# KiCad board output.Panel_R0.5.1_300x300_2layer_step1_Modified.kicad_pcb (continued)
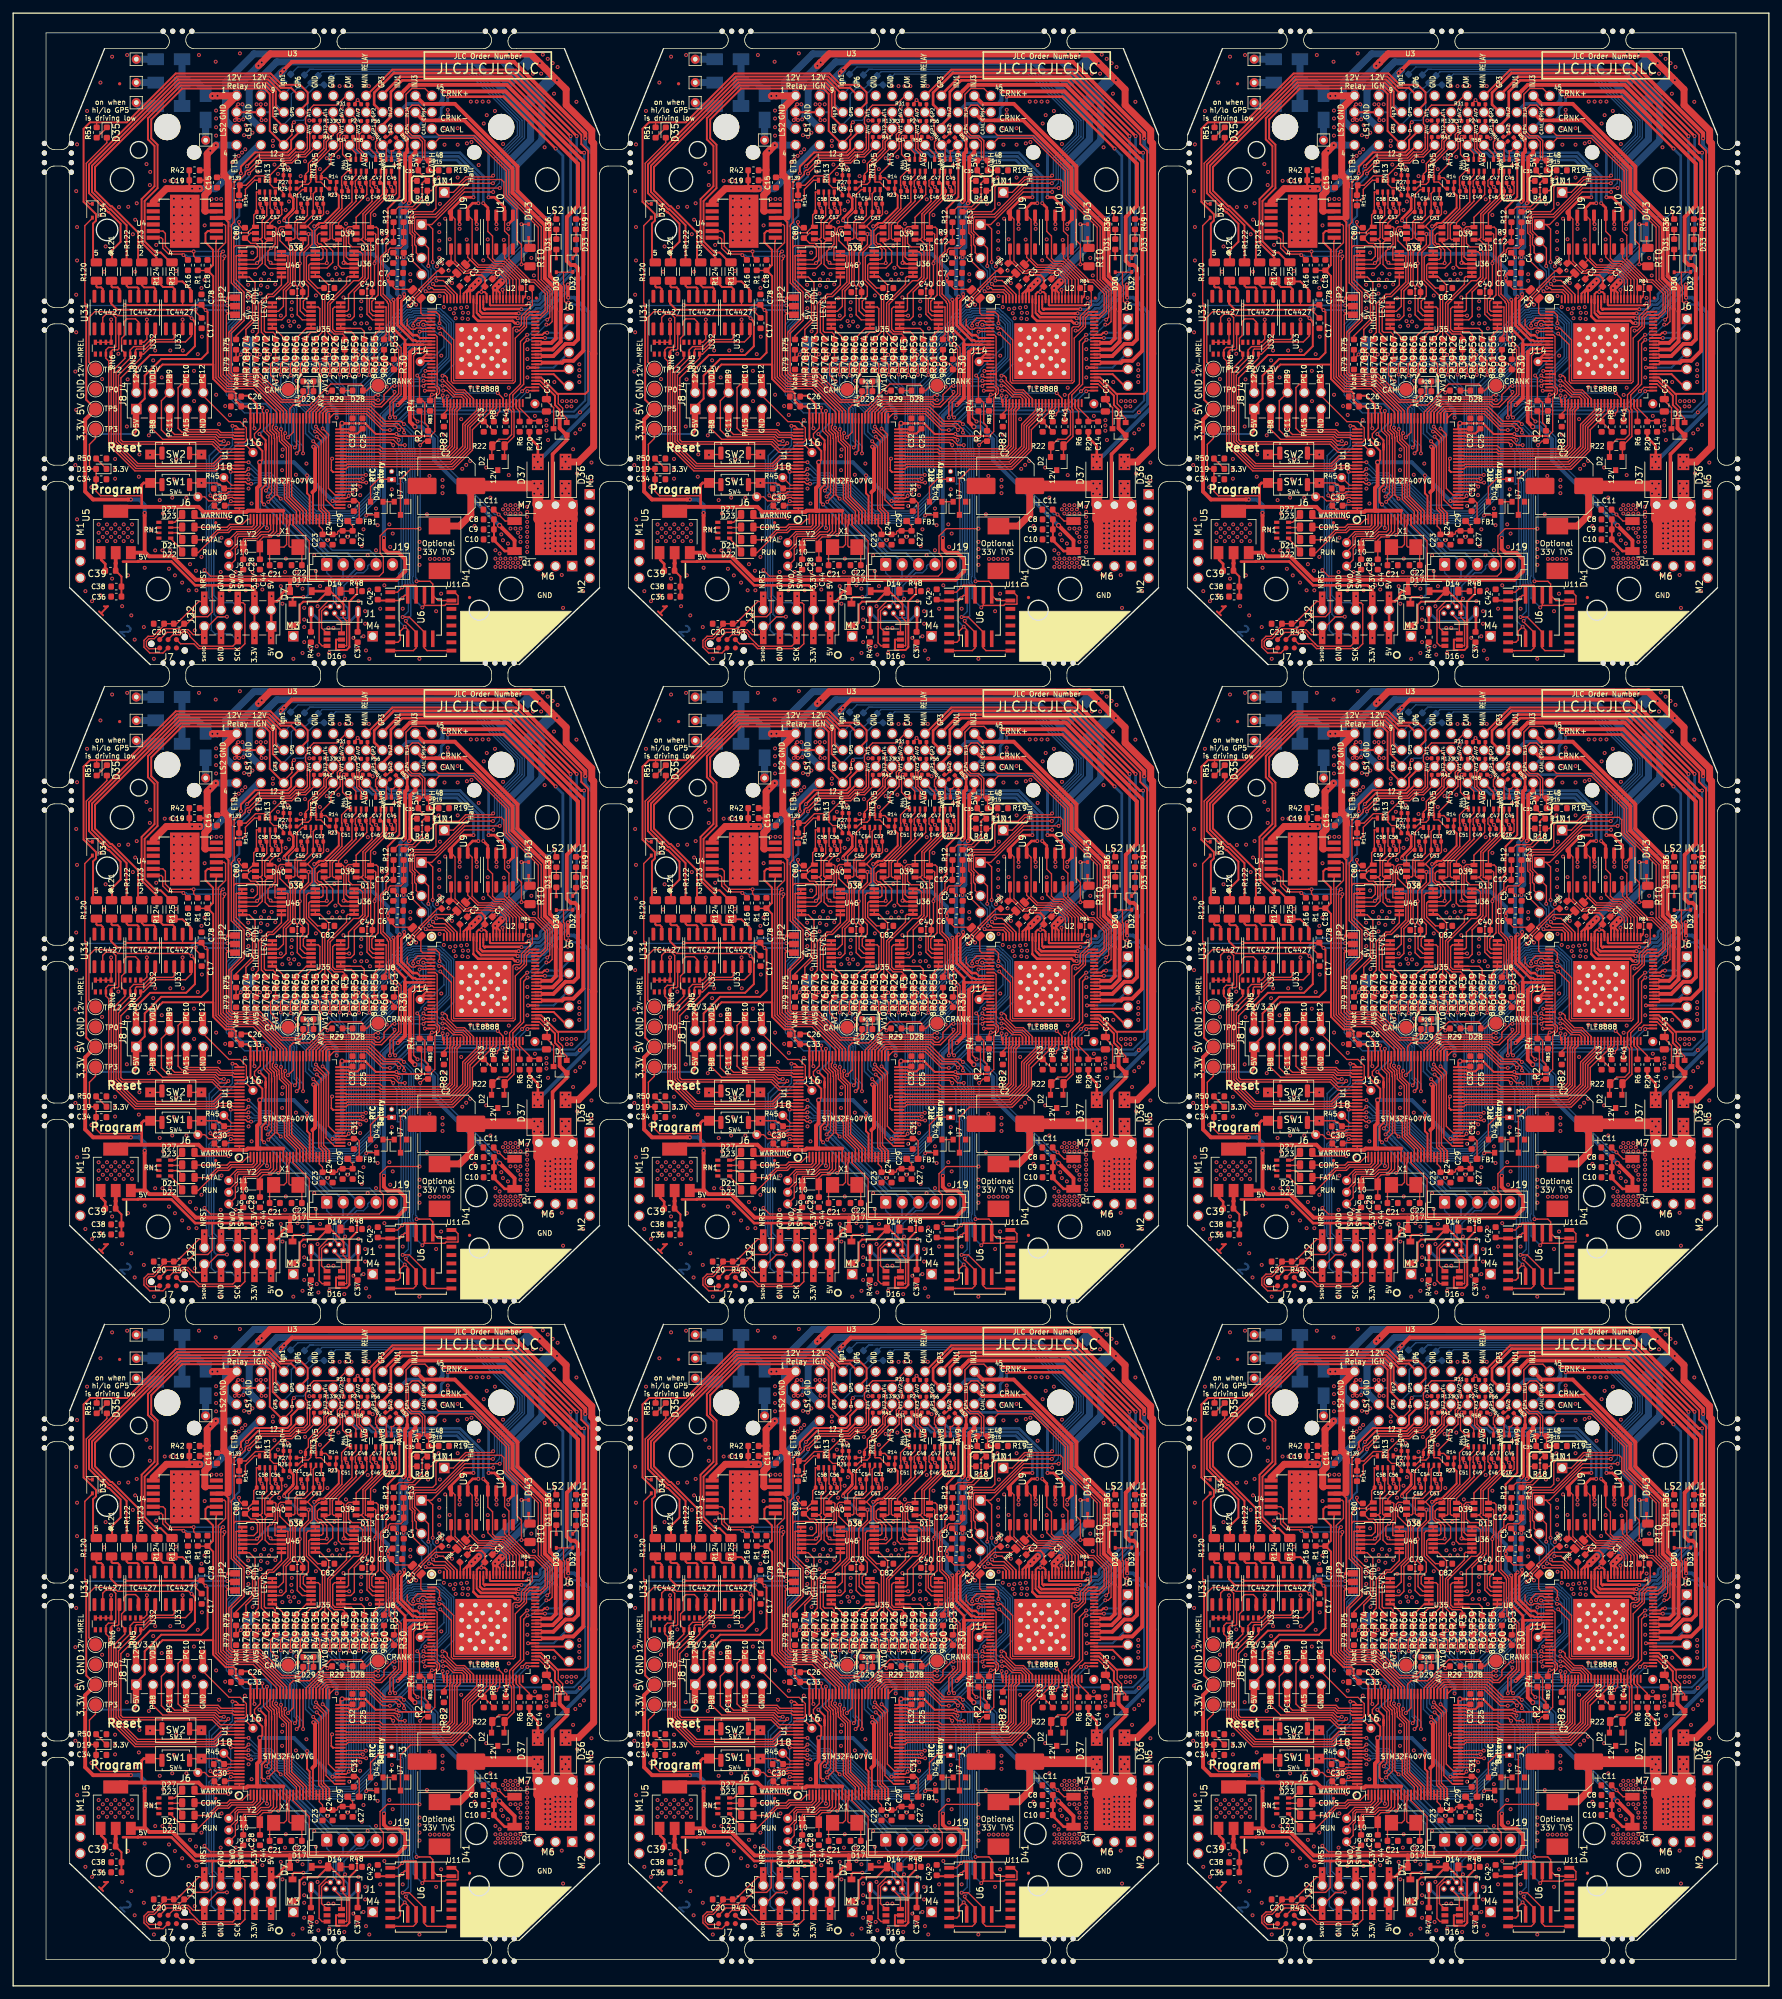
[diagram p0: board, top side]
## Routing (per net, layer and track width the routed paths; a pad name or vN(x,y) marks a point on that pad's centre or on a via; arc(x,y) is an arc through that point) (continued)
/SO: length 510
  Top w0.216: v1(146.6,252.68) 147.17,253.25 147.67,253.25 147.82,253.1 U2#2.4 ; v1(120.8,229.85) 120.67,229.72 U1#2.90 ; v1(231.6,252.68) 232.17,253.25 232.67,253.25 232.82,253.1 U2#3.4 ; U1#3.90 205.67,229.72 v1(205.8,229.85) ; v1(231.6,155.68) 232.17,156.25 232.67,156.25 232.82,156.1 U2#5.4 ; v1(205.8,132.85) 205.67,132.72 U1#5.90 ; v1(146.6,155.68) 147.17,156.25 147.67,156.25 147.82,156.1 U2#6.4 ; U1#6.90 120.67,132.72 v1(120.8,132.85) ; v1(61.6,155.68) 62.17,156.25 62.67,156.25 62.82,156.1 U2#4.4 ; v1(35.8,132.85) 35.67,132.72 U1#4.90 ; U2#8.4 232.82,59.1 232.67,59.25 232.17,59.25 v1(231.6,58.68) ; v1(205.8,35.85) 205.67,35.72 U1#8.90 ; v1(146.6,58.68) 147.17,59.25 147.67,59.25 147.82,59.1 U2#9.4 ; U1#9.90 120.67,35.72 v1(120.8,35.85) ; U2#7.4 62.82,59.1 62.67,59.25 62.17,59.25 v1(61.6,58.68) ; U1#7.90 35.67,35.72 v1(35.8,35.85) ; v1(35.8,229.85) 35.67,229.72 U1.90 ; U2.4 62.82,253.1 62.67,253.25 62.17,253.25 v1(61.6,252.68)
  Bottom w0.216: v1(120.8,229.85) 121.22,229.85 121.74,229.34 123.85,229.34 125.36,227.83 126.51,227.83 130.79,223.55 136.81,223.55 140.08,226.83 140.08,230.4 139.53,230.95 139.53,242.47 147.37,250.31 147.37,251.83 147.15,252.05 147.1,252.05 146.6,252.56 v1(146.6,252.68) ; v1(205.8,229.85) 206.22,229.85 206.74,229.34 208.85,229.34 210.36,227.83 211.51,227.83 215.79,223.55 221.81,223.55 225.08,226.83 225.08,230.4 224.53,230.95 224.53,242.47 232.37,250.31 232.37,251.83 232.15,252.05 232.1,252.05 231.6,252.56 v1(231.6,252.68) ; v1(205.8,132.85) 206.22,132.85 206.74,132.34 208.85,132.34 210.36,130.83 211.51,130.83 215.79,126.55 221.81,126.55 225.08,129.83 225.08,133.4 224.53,133.95 224.53,145.47 232.37,153.31 232.37,154.83 232.15,155.05 232.1,155.05 231.6,155.56 v1(231.6,155.68) ; v1(120.8,132.85) 121.22,132.85 121.74,132.34 123.85,132.34 125.36,130.83 126.51,130.83 130.79,126.55 136.81,126.55 140.08,129.83 140.08,133.4 139.53,133.95 139.53,145.47 147.37,153.31 147.37,154.83 147.15,155.05 147.1,155.05 146.6,155.56 v1(146.6,155.68) ; v1(35.8,132.85) 36.22,132.85 36.74,132.34 38.85,132.34 40.36,130.83 41.51,130.83 45.79,126.55 51.81,126.55 55.08,129.83 55.08,133.4 54.53,133.95 54.53,145.47 62.37,153.31 62.37,154.83 62.15,155.05 62.1,155.05 61.6,155.56 v1(61.6,155.68) ; v1(205.8,35.85) 206.22,35.85 206.74,35.34 208.85,35.34 210.36,33.83 211.51,33.83 215.79,29.55 221.81,29.55 225.08,32.83 225.08,36.4 224.53,36.95 224.53,48.47 232.37,56.31 232.37,57.83 232.15,58.05 232.1,58.05 231.6,58.56 v1(231.6,58.68) ; v1(120.8,35.85) 121.22,35.85 121.74,35.34 123.85,35.34 125.36,33.83 126.51,33.83 130.79,29.55 136.81,29.55 140.08,32.83 140.08,36.4 139.53,36.95 139.53,48.47 147.37,56.31 147.37,57.83 147.15,58.05 147.1,58.05 146.6,58.56 v1(146.6,58.68) ; v1(61.6,58.68) 61.6,58.56 62.1,58.05 62.15,58.05 62.37,57.83 62.37,56.31 54.53,48.47 54.53,36.95 55.08,36.4 55.08,32.83 51.81,29.55 45.79,29.55 41.51,33.83 40.36,33.83 38.85,35.34 36.74,35.34 36.22,35.85 v1(35.8,35.85) ; v1(35.8,229.85) 36.22,229.85 36.74,229.34 38.85,229.34 40.36,227.83 41.51,227.83 45.79,223.55 51.81,223.55 55.08,226.83 55.08,230.4 54.53,230.95 54.53,242.47 62.37,250.31 62.37,251.83 62.15,252.05 62.1,252.05 61.6,252.56 v1(61.6,252.68)
/TLE8888-1QK/BAT_STBY: length 74.8
  Top w0.216: U2#2.53 165,243.6 166.2,242.4 166.2,240.99 167.2,239.99 167.2,236.81 D1#2.3 ; D1#3.3 252.2,236.81 252.2,239.99 251.2,240.99 251.2,242.4 250,243.6 U2#3.53 ; U2#4.53 80,146.6 81.2,145.4 81.2,143.99 82.2,142.99 82.2,139.81 D1#4.3 ; D1#6.3 167.2,139.81 167.2,142.99 166.2,143.99 166.2,145.4 165,146.6 U2#6.53 ; D1#5.3 252.2,139.81 252.2,142.99 251.2,143.99 251.2,145.4 250,146.6 U2#5.53 ; D1#9.3 167.2,42.81 167.2,45.99 166.2,46.99 166.2,48.4 165,49.6 U2#9.53 ; D1#8.3 252.2,42.81 252.2,45.99 251.2,46.99 251.2,48.4 250,49.6 U2#8.53 ; U2#7.53 80,49.6 81.2,48.4 81.2,46.99 82.2,45.99 82.2,42.81 D1#7.3 ; U2.53 80,243.6 81.2,242.4 81.2,240.99 82.2,239.99 82.2,236.81 D1.3
/TLE8888-1QK/CAN_RX: length 267.2
  Top w0.216: v1(142.3,236.6) 141.18,236.6 138.69,239.09 133.78,239.09 U1#2.51 ; v1(158.47,238.96) 159,239.49 U2#2.43 ; v1(227.3,236.6) 226.18,236.6 223.69,239.09 218.78,239.09 U1#3.51 ; U2#3.43 244,239.49 v1(243.47,238.96) ; v1(227.3,139.6) 226.18,139.6 223.69,142.09 218.78,142.09 U1#5.51 ; U2#5.43 244,142.49 v1(243.47,141.96) ; v1(57.3,139.6) 56.18,139.6 53.69,142.09 48.78,142.09 U1#4.51 ; v1(73.47,141.96) 74,142.49 U2#4.43 ; v1(142.3,139.6) 141.18,139.6 138.69,142.09 133.78,142.09 U1#6.51 ; U2#6.43 159,142.49 v1(158.47,141.96) ; v1(73.47,44.96) 74,45.49 U2#7.43 ; v1(57.3,42.6) 56.18,42.6 53.69,45.09 48.78,45.09 U1#7.51 ; v1(142.3,42.6) 141.18,42.6 138.69,45.09 133.78,45.09 U1#9.51 ; U2#9.43 159,45.49 v1(158.47,44.96) ; v1(227.3,42.6) 226.18,42.6 223.69,45.09 218.78,45.09 U1#8.51 ; U2#8.43 244,45.49 v1(243.47,44.96) ; v1(73.47,238.96) 74,239.49 U2.43 ; U1.51 48.78,239.09 53.69,239.09 56.18,236.6 v1(57.3,236.6)
  Bottom w0.216: v1(142.3,236.6) 142.72,236.6 145.15,239.02 158.41,239.02 v1(158.47,238.96) ; v1(227.3,236.6) 227.72,236.6 230.15,239.02 243.41,239.02 v1(243.47,238.96) ; v1(243.47,141.96) 243.41,142.02 230.15,142.02 227.72,139.6 v1(227.3,139.6) ; v1(57.3,139.6) 57.72,139.6 60.15,142.02 73.41,142.02 v1(73.47,141.96) ; v1(142.3,139.6) 142.72,139.6 145.15,142.02 158.41,142.02 v1(158.47,141.96) ; v1(57.3,42.6) 57.72,42.6 60.15,45.02 73.41,45.02 v1(73.47,44.96) ; v1(142.3,42.6) 142.72,42.6 145.15,45.02 158.41,45.02 v1(158.47,44.96) ; v1(243.47,44.96) 243.41,45.02 230.15,45.02 227.72,42.6 v1(227.3,42.6) ; v1(57.3,236.6) 57.72,236.6 60.15,239.02 73.41,239.02 v1(73.47,238.96)
/TLE8888-1QK/CAN_TX: length 531.6
  Top w0.216: U1#2.92 120.34,228.72 120.63,228.43 v1(121.18,228.43) ; v1(158.7,242.22) 159.5,241.42 U2#2.44 ; U1#3.92 205.34,228.72 205.63,228.43 v1(206.18,228.43) ; v1(243.7,242.22) 244.5,241.42 U2#3.44 ; U1#5.92 205.34,131.72 205.63,131.43 v1(206.18,131.43) ; v1(243.7,145.22) 244.5,144.42 U2#5.44 ; U1#4.92 35.34,131.72 35.63,131.43 v1(36.18,131.43) ; v1(73.7,145.22) 74.5,144.42 U2#4.44 ; U1#6.92 120.34,131.72 120.63,131.43 v1(121.18,131.43) ; v1(158.7,145.22) 159.5,144.42 U2#6.44 ; v1(73.7,48.22) 74.5,47.42 U2#7.44 ; v1(36.18,34.43) 35.63,34.43 35.34,34.72 U1#7.92 ; U1#9.92 120.34,34.72 120.63,34.43 v1(121.18,34.43) ; v1(158.7,48.22) 159.5,47.42 U2#9.44 ; U1#8.92 205.34,34.72 205.63,34.43 v1(206.18,34.43) ; U2#8.44 244.5,47.42 v1(243.7,48.22) ; v1(73.7,242.22) 74.5,241.42 U2.44 ; v1(36.18,228.43) 35.63,228.43 35.34,228.72 U1.92
  Bottom w0.216: v1(158.7,242.22) 152.43,242.22 151.16,240.95 149.9,240.95 149.9,240.96 142.8,240.96 140.82,238.97 140.82,226.53 137.11,222.82 130.48,222.82 126.2,227.1 125.05,227.1 123.55,228.6 121.78,228.6 121.61,228.43 v1(121.18,228.43) ; v1(243.7,242.22) 237.43,242.22 236.16,240.95 234.9,240.95 234.9,240.96 227.8,240.96 225.82,238.97 225.82,226.53 222.11,222.82 215.48,222.82 211.2,227.1 210.05,227.1 208.55,228.6 206.78,228.6 206.61,228.43 v1(206.18,228.43) ; v1(243.7,145.22) 237.43,145.22 236.16,143.95 234.9,143.95 234.9,143.96 227.8,143.96 225.82,141.97 225.82,129.53 222.11,125.82 215.48,125.82 211.2,130.1 210.05,130.1 208.55,131.6 206.78,131.6 206.61,131.43 v1(206.18,131.43) ; v1(73.7,145.22) 67.43,145.22 66.16,143.95 64.9,143.95 64.9,143.96 57.8,143.96 55.82,141.97 55.82,129.53 52.11,125.82 45.48,125.82 41.2,130.1 40.05,130.1 38.55,131.6 36.78,131.6 36.61,131.43 v1(36.18,131.43) ; v1(158.7,145.22) 152.43,145.22 151.16,143.95 149.9,143.95 149.9,143.96 142.8,143.96 140.82,141.97 140.82,129.53 137.11,125.82 130.48,125.82 126.2,130.1 125.05,130.1 123.55,131.6 121.78,131.6 121.61,131.43 v1(121.18,131.43) ; v1(73.7,48.22) 67.43,48.22 66.16,46.95 64.9,46.95 64.9,46.96 57.8,46.96 55.82,44.97 55.82,32.53 52.11,28.82 45.48,28.82 41.2,33.1 40.05,33.1 38.55,34.6 36.78,34.6 36.61,34.43 v1(36.18,34.43) ; v1(158.7,48.22) 152.43,48.22 151.16,46.95 149.9,46.95 149.9,46.96 142.8,46.96 140.82,44.97 140.82,32.53 137.11,28.82 130.48,28.82 126.2,33.1 125.05,33.1 123.55,34.6 121.78,34.6 121.61,34.43 v1(121.18,34.43) ; v1(243.7,48.22) 237.43,48.22 236.16,46.95 234.9,46.95 234.9,46.96 227.8,46.96 225.82,44.97 225.82,32.53 222.11,28.82 215.48,28.82 211.2,33.1 210.05,33.1 208.55,34.6 206.78,34.6 206.61,34.43 v1(206.18,34.43) ; v1(36.18,228.43) 36.61,228.43 36.78,228.6 38.55,228.6 40.05,227.1 41.2,227.1 45.48,222.82 52.11,222.82 55.82,226.53 55.82,238.97 57.8,240.96 64.9,240.96 64.9,240.95 66.16,240.95 67.43,242.22 v1(73.7,242.22)
/TLE8888-1QK/IGN_EN: length 236.3
  Top w0.203: v1(140.49,241.16) 140.07,241.16 139.94,241.29 132.05,241.29 130.09,239.32 U1#2.57 ; v1(151.05,241.71) 151,241.65 U2#2.27 151,239.62 150.5,239.12 R82#2.1 ; v1(225.49,241.16) 225.07,241.16 224.94,241.29 217.05,241.29 215.09,239.32 U1#3.57 ; v1(236.05,241.71) 236,241.65 U2#3.27 236,239.62 235.5,239.12 R82#3.1 ; v1(140.49,144.16) 140.07,144.16 139.94,144.29 132.05,144.29 130.09,142.32 U1#6.57 ; v1(151.05,144.71) 151,144.65 U2#6.27 151,142.62 150.5,142.12 R82#6.1 ; v1(55.49,144.16) 55.07,144.16 54.94,144.29 47.05,144.29 45.09,142.32 U1#4.57 ; v1(66.05,144.71) 66,144.65 U2#4.27 66,142.62 65.5,142.12 R82#4.1 ; v1(225.49,144.16) 225.07,144.16 224.94,144.29 217.05,144.29 215.09,142.32 U1#5.57 ; v1(236.05,144.71) 236,144.65 U2#5.27 236,142.62 235.5,142.12 R82#5.1 ; v1(140.49,47.16) 140.07,47.16 139.94,47.29 132.05,47.29 130.09,45.32 U1#9.57 ; v1(151.05,47.71) 151,47.65 U2#9.27 151,45.62 150.5,45.12 R82#9.1 ; v1(55.49,47.16) 55.07,47.16 54.94,47.29 47.05,47.29 45.09,45.32 U1#7.57 ; v1(66.05,47.71) 66,47.65 U2#7.27 66,45.62 65.5,45.12 R82#7.1 ; v1(225.49,47.16) 225.07,47.16 224.94,47.29 217.05,47.29 215.09,45.32 U1#8.57 ; v1(236.05,47.71) 236,47.65 U2#8.27 236,45.62 235.5,45.12 R82#8.1 ; R82.1 65.5,239.12 66,239.62 U2.27 66,241.65 v1(66.05,241.71) ; v1(55.49,241.16) 55.07,241.16 54.94,241.29 47.05,241.29 45.09,239.32 U1.57
  Bottom w0.203: v1(140.49,241.16) 140.92,241.16 141.08,241.32 150.05,241.32 150.05,241.31 150.66,241.31 v1(151.05,241.71) ; v1(225.49,241.16) 225.92,241.16 226.08,241.32 235.05,241.32 235.05,241.31 235.66,241.31 v1(236.05,241.71) ; v1(140.49,144.16) 140.92,144.16 141.08,144.32 150.05,144.32 150.05,144.31 150.66,144.31 v1(151.05,144.71) ; v1(55.49,144.16) 55.92,144.16 56.08,144.32 65.05,144.32 65.05,144.31 65.66,144.31 v1(66.05,144.71) ; v1(236.05,144.71) 235.66,144.31 235.05,144.31 235.05,144.32 226.08,144.32 225.92,144.16 v1(225.49,144.16) ; v1(140.49,47.16) 140.92,47.16 141.08,47.32 150.05,47.32 150.05,47.31 150.66,47.31 v1(151.05,47.71) ; v1(55.49,47.16) 55.92,47.16 56.08,47.32 65.05,47.32 65.05,47.31 65.66,47.31 v1(66.05,47.71) ; v1(225.49,47.16) 225.92,47.16 226.08,47.32 235.05,47.32 235.05,47.31 235.66,47.31 v1(236.05,47.71) ; v1(66.05,241.71) 65.66,241.31 65.05,241.31 65.05,241.32 56.08,241.32 55.92,241.16 v1(55.49,241.16)
/TLE8888-1QK/IGN_OUT_1: length 709.3
  Top w0.203: v1(158,272.8) 153.6,272.8 148.66,267.85 U3#2.J51 ; v1(243,272.8) 238.6,272.8 233.66,267.85 U3#3.J51 ; v1(243,175.8) 238.6,175.8 233.66,170.85 U3#5.J51 ; v1(73,175.8) 68.6,175.8 63.66,170.85 U3#4.J51 ; v1(158,175.8) 153.6,175.8 148.66,170.85 U3#6.J51 ; U3#8.J51 63.66,73.85 68.6,78.8 v1(73,78.8) ; v1(158,78.8) 153.6,78.8 148.66,73.85 U3#9.J51 ; v1(243,78.8) 238.6,78.8 233.66,73.85 U3#7.J51 ; v1(73,272.8) 68.6,272.8 63.66,267.85 U3.J51
  Top w0.216: U2#2.96 152.5,257.23 150.38,259.34 v1(149.37,259.34) ; U3#2.J51 148.12,267.85 148.81,267.17 v1(148.81,262.14) ; U2#3.96 237.5,257.23 235.38,259.34 v1(234.37,259.34) ; v1(233.81,262.14) 233.81,267.17 233.12,267.85 U3#3.J51 ; U2#5.96 237.5,160.23 235.38,162.34 v1(234.37,162.34) ; v1(233.81,165.14) 233.81,170.17 233.12,170.85 U3#5.J51 ; U2#4.96 67.5,160.23 65.38,162.34 v1(64.37,162.34) ; U3#4.J51 63.12,170.85 63.81,170.17 v1(63.81,165.14) ; U2#6.96 152.5,160.23 150.38,162.34 v1(149.37,162.34) ; v1(148.81,165.14) 148.81,170.17 148.12,170.85 U3#6.J51 ; U2#7.96 67.5,63.23 65.38,65.34 v1(64.37,65.34) ; v1(63.81,68.14) 63.81,73.17 63.12,73.85 U3#8.J51 ; v1(148.81,68.14) 148.81,73.17 148.12,73.85 U3#9.J51 ; U2#9.96 152.5,63.23 150.38,65.34 v1(149.37,65.34) ; v1(233.81,68.14) 233.81,73.17 233.12,73.85 U3#7.J51 ; U2#8.96 237.5,63.23 235.38,65.34 v1(234.37,65.34) ; U3.J51 63.12,267.85 63.81,267.17 v1(63.81,262.14) ; v1(64.37,259.34) 65.38,259.34 67.5,257.23 U2.96
  Bottom w0.203: R21#2.2 130.15,291.45 130.65,291.45 ; 130.65,291.45 154.65,291.45 162.4,283.7 162.4,281.19 158.96,277.75 158.96,274.18 158,273.22 v1(158,272.8) ; 130.65,291.45 130.1,291.45 129.4,290.75 129.4,290.6 ; R21#3.2 215.15,291.45 215.65,291.45 ; 215.65,291.45 239.65,291.45 247.4,283.7 247.4,281.19 243.96,277.75 243.96,274.18 243,273.22 v1(243,272.8) ; 215.65,291.45 215.1,291.45 214.4,290.75 214.4,290.6 ; R21#5.2 215.15,194.45 215.65,194.45 ; 215.65,194.45 239.65,194.45 247.4,186.7 247.4,184.19 243.96,180.75 243.96,177.18 243,176.22 v1(243,175.8) ; 215.65,194.45 215.1,194.45 214.4,193.75 214.4,193.6 ; R21#4.2 45.15,194.45 45.65,194.45 ; 45.65,194.45 69.65,194.45 77.4,186.7 77.4,184.19 73.96,180.75 73.96,177.18 73,176.22 v1(73,175.8) ; 45.65,194.45 45.1,194.45 44.4,193.75 44.4,193.6 ; R21#6.2 130.15,194.45 130.65,194.45 ; 130.65,194.45 154.65,194.45 162.4,186.7 162.4,184.19 158.96,180.75 158.96,177.18 158,176.22 v1(158,175.8) ; 130.65,194.45 130.1,194.45 129.4,193.75 129.4,193.6 ; 45.65,97.45 69.65,97.45 77.4,89.7 77.4,87.19 73.96,83.75 73.96,80.18 73,79.22 v1(73,78.8) ; 45.65,97.45 45.1,97.45 44.4,96.75 44.4,96.6 ; 45.65,97.45 45.15,97.45 R21#7.2 ; R21#9.2 130.15,97.45 130.65,97.45 ; v1(158,78.8) 158,79.22 158.96,80.18 158.96,83.75 162.4,87.19 162.4,89.7 154.65,97.45 130.65,97.45 ; 130.65,97.45 130.1,97.45 129.4,96.75 129.4,96.6 ; R21#8.2 215.15,97.45 215.65,97.45 ; 215.65,97.45 239.65,97.45 247.4,89.7 247.4,87.19 243.96,83.75 243.96,80.18 243,79.22 v1(243,78.8) ; 215.65,97.45 215.1,97.45 214.4,96.75 214.4,96.6 ; 45.65,291.45 69.65,291.45 77.4,283.7 77.4,281.19 73.96,277.75 73.96,274.18 73,273.22 v1(73,272.8) ; 45.65,291.45 45.15,291.45 R21.2 ; 45.65,291.45 45.1,291.45 44.4,290.75 44.4,290.6
  Bottom w0.216: v1(149.37,259.34) 149.37,260.75 148.81,261.32 v1(148.81,262.14) ; v1(234.37,259.34) 234.37,260.75 233.81,261.32 v1(233.81,262.14) ; v1(234.37,162.34) 234.37,163.75 233.81,164.32 v1(233.81,165.14) ; v1(64.37,162.34) 64.37,163.75 63.81,164.32 v1(63.81,165.14) ; v1(149.37,162.34) 149.37,163.75 148.81,164.32 v1(148.81,165.14) ; v1(64.37,65.34) 64.37,66.75 63.81,67.32 v1(63.81,68.14) ; v1(149.37,65.34) 149.37,66.75 148.81,67.32 v1(148.81,68.14) ; v1(233.81,68.14) 233.81,67.32 234.37,66.75 v1(234.37,65.34) ; v1(63.81,262.14) 63.81,261.32 64.37,260.75 v1(64.37,259.34)
/TLE8888-1QK/IGN_OUT_2: length 737
  Top w0.203: U3#2.J52 147.1,265.8 146.05,266.85 146.05,268.86 146.19,269 149.3,269 153.7,273.4 v1(159,273.4) ; U3#3.J52 232.1,265.8 231.05,266.85 231.05,268.86 231.19,269 234.3,269 238.7,273.4 v1(244,273.4) ; U3#5.J52 232.1,168.8 231.05,169.85 231.05,171.86 231.19,172 234.3,172 238.7,176.4 v1(244,176.4) ; U3#4.J52 62.1,168.8 61.05,169.85 61.05,171.86 61.19,172 64.3,172 68.7,176.4 v1(74,176.4) ; U3#6.J52 147.1,168.8 146.05,169.85 146.05,171.86 146.19,172 149.3,172 153.7,176.4 v1(159,176.4) ; v1(74,79.4) 68.7,79.4 64.3,75 61.19,75 61.05,74.86 61.05,72.85 62.1,71.8 U3#8.J52 ; U3#9.J52 147.1,71.8 146.05,72.85 146.05,74.86 146.19,75 149.3,75 153.7,79.4 v1(159,79.4) ; U3#7.J52 232.1,71.8 231.05,72.85 231.05,74.86 231.19,75 234.3,75 238.7,79.4 v1(244,79.4) ; U3.J52 62.1,265.8 61.05,266.85 61.05,268.86 61.19,269 64.3,269 68.7,273.4 v1(74,273.4)
  Top w0.216: U3#2.J52 148.16,264.25 148.16,262 148.14,261.98 v1(148.14,261.55) ; U2#2.97 152,257.18 150.67,258.51 149.14,258.51 v1(148.84,258.81) ; U3#3.J52 233.16,264.25 233.16,262 233.14,261.98 v1(233.14,261.55) ; v1(233.84,258.81) 234.14,258.51 235.67,258.51 237,257.18 U2#3.97 ; v1(233.84,161.81) 234.14,161.51 235.67,161.51 237,160.18 U2#5.97 ; U3#5.J52 233.16,167.25 233.16,165 233.14,164.98 v1(233.14,164.55) ; U3#4.J52 63.16,167.25 63.16,165 63.14,164.98 v1(63.14,164.55) ; U2#4.97 67,160.18 65.67,161.51 64.14,161.51 v1(63.84,161.81) ; U3#6.J52 148.16,167.25 148.16,165 148.14,164.98 v1(148.14,164.55) ; v1(148.84,161.81) 149.14,161.51 150.67,161.51 152,160.18 U2#6.97 ; U3#8.J52 63.16,70.25 63.16,68 63.14,67.98 v1(63.14,67.55) ; U2#7.97 67,63.18 65.67,64.51 64.14,64.51 v1(63.84,64.81) ; v1(148.84,64.81) 149.14,64.51 150.67,64.51 152,63.18 U2#9.97 ; U3#9.J52 148.16,70.25 148.16,68 148.14,67.98 v1(148.14,67.55) ; v1(233.84,64.81) 234.14,64.51 235.67,64.51 237,63.18 U2#8.97 ; v1(233.14,67.55) 233.14,67.98 233.16,68 233.16,70.25 U3#7.J52 ; U2.97 67,257.18 65.67,258.51 64.14,258.51 v1(63.84,258.81) ; U3.J52 63.16,264.25 63.16,262 63.14,261.98 v1(63.14,261.55)
  Bottom w0.203: R33#2.2 128.31,291.81 154.8,291.81 162.76,283.85 162.76,281.05 159.31,277.6 159.31,273.71 v1(159,273.4) ; R33#3.2 213.31,291.81 239.8,291.81 247.76,283.85 247.76,281.05 244.31,277.6 244.31,273.71 v1(244,273.4) ; R33#5.2 213.31,194.81 239.8,194.81 247.76,186.85 247.76,184.05 244.31,180.6 244.31,176.71 v1(244,176.4) ; R33#4.2 43.31,194.81 69.8,194.81 77.76,186.85 77.76,184.05 74.31,180.6 74.31,176.71 v1(74,176.4) ; R33#6.2 128.31,194.81 154.8,194.81 162.76,186.85 162.76,184.05 159.31,180.6 159.31,176.71 v1(159,176.4) ; R33#8.2 43.31,97.81 69.8,97.81 77.76,89.85 77.76,87.05 74.31,83.6 74.31,79.71 v1(74,79.4) ; R33#9.2 128.31,97.81 154.8,97.81 162.76,89.85 162.76,87.05 159.31,83.6 159.31,79.71 v1(159,79.4) ; v1(244,79.4) 244.31,79.71 244.31,83.6 247.76,87.05 247.76,89.85 239.8,97.81 213.31,97.81 R33#7.2 ; R33.2 43.31,291.81 69.8,291.81 77.76,283.85 77.76,281.05 74.31,277.6 74.31,273.71 v1(74,273.4)
  Bottom w0.216: v1(148.84,258.81) 148.54,259.11 148.54,261.06 148.14,261.46 v1(148.14,261.55) ; v1(233.84,258.81) 233.54,259.11 233.54,261.06 233.14,261.46 v1(233.14,261.55) ; v1(233.84,161.81) 233.54,162.11 233.54,164.06 233.14,164.46 v1(233.14,164.55) ; v1(63.84,161.81) 63.54,162.11 63.54,164.06 63.14,164.46 v1(63.14,164.55) ; v1(148.84,161.81) 148.54,162.11 148.54,164.06 148.14,164.46 v1(148.14,164.55) ; v1(63.14,67.55) 63.14,67.46 63.54,67.06 63.54,65.11 v1(63.84,64.81) ; v1(148.84,64.81) 148.54,65.11 148.54,67.06 148.14,67.46 v1(148.14,67.55) ; v1(233.84,64.81) 233.54,65.11 233.54,67.06 233.14,67.46 v1(233.14,67.55) ; v1(63.14,261.55) 63.14,261.46 63.54,261.06 63.54,259.11 v1(63.84,258.81)
/TLE8888-1QK/IGN_OUT_3: length 681.6
  Top w0.203: U3#2.J53 146.3,263.57 146.3,264.55 146.05,264.81 146.05,265.82 146.1,265.87 146.1,266.3 145.69,266.7 145.69,269 146.09,269.4 149.2,269.4 153.93,274.13 v1(157.97,274.13) ; U3#3.J53 231.3,263.57 231.3,264.55 231.05,264.81 231.05,265.82 231.1,265.87 231.1,266.3 230.69,266.7 230.69,269 231.09,269.4 234.2,269.4 238.93,274.13 v1(242.97,274.13) ; U3#5.J53 231.3,166.57 231.3,167.55 231.05,167.81 231.05,168.82 231.1,168.87 231.1,169.3 230.69,169.7 230.69,172 231.09,172.4 234.2,172.4 238.93,177.13 v1(242.97,177.13) ; U3#4.J53 61.3,166.57 61.3,167.55 61.05,167.81 61.05,168.82 61.1,168.87 61.1,169.3 60.69,169.7 60.69,172 61.09,172.4 64.2,172.4 68.93,177.13 v1(72.97,177.13) ; U3#6.J53 146.3,166.57 146.3,167.55 146.05,167.81 146.05,168.82 146.1,168.87 146.1,169.3 145.69,169.7 145.69,172 146.09,172.4 149.2,172.4 153.93,177.13 v1(157.97,177.13) ; U3#8.J53 61.3,69.57 61.3,70.55 61.05,70.81 61.05,71.82 61.1,71.87 61.1,72.3 60.69,72.7 60.69,75 61.09,75.4 64.2,75.4 68.93,80.13 v1(72.97,80.13) ; U3#9.J53 146.3,69.57 146.3,70.55 146.05,70.81 146.05,71.82 146.1,71.87 146.1,72.3 145.69,72.7 145.69,75 146.09,75.4 149.2,75.4 153.93,80.13 v1(157.97,80.13) ; U3#7.J53 231.3,69.57 231.3,70.55 231.05,70.81 231.05,71.82 231.1,71.87 231.1,72.3 230.69,72.7 230.69,75 231.09,75.4 234.2,75.4 238.93,80.13 v1(242.97,80.13) ; v1(72.97,274.13) 68.93,274.13 64.2,269.4 61.09,269.4 60.69,269 60.69,266.7 61.1,266.3 61.1,265.87 61.05,265.82 61.05,264.81 61.3,264.55 61.3,263.57 U3.J53
  Top w0.216: U2#2.98 151.5,257.14 150.7,257.95 148.97,257.95 148.69,258.23 v1(148.26,258.23) ; U2#3.98 236.5,257.14 235.7,257.95 233.97,257.95 233.69,258.23 v1(233.26,258.23) ; U2#5.98 236.5,160.14 235.7,160.95 233.97,160.95 233.69,161.23 v1(233.26,161.23) ; U2#4.98 66.5,160.14 65.7,160.95 63.97,160.95 63.69,161.23 v1(63.26,161.23) ; U2#6.98 151.5,160.14 150.7,160.95 148.97,160.95 148.69,161.23 v1(148.26,161.23) ; U2#7.98 66.5,63.14 65.7,63.95 63.97,63.95 63.69,64.23 v1(63.26,64.23) ; v1(148.26,64.23) 148.69,64.23 148.97,63.95 150.7,63.95 151.5,63.14 U2#9.98 ; U2#8.98 236.5,63.14 235.7,63.95 233.97,63.95 233.69,64.23 v1(233.26,64.23) ; v1(63.26,258.23) 63.69,258.23 63.97,257.95 65.7,257.95 66.5,257.14 U2.98
  Bottom w0.203: v1(157.97,274.13) 158.6,274.77 158.6,277.9 162.04,281.34 162.04,283.56 154.5,291.1 132,291.1 R80#2.2 ; v1(242.97,274.13) 243.6,274.77 243.6,277.9 247.04,281.34 247.04,283.56 239.5,291.1 217,291.1 R80#3.2 ; v1(242.97,177.13) 243.6,177.77 243.6,180.9 247.04,184.34 247.04,186.56 239.5,194.1 217,194.1 R80#5.2 ; v1(72.97,177.13) 73.6,177.77 73.6,180.9 77.04,184.34 77.04,186.56 69.5,194.1 47,194.1 R80#4.2 ; v1(157.97,177.13) 158.6,177.77 158.6,180.9 162.04,184.34 162.04,186.56 154.5,194.1 132,194.1 R80#6.2 ; v1(72.97,80.13) 73.6,80.77 73.6,83.9 77.04,87.34 77.04,89.56 69.5,97.1 47,97.1 R80#7.2 ; R80#9.2 132,97.1 154.5,97.1 162.04,89.56 162.04,87.34 158.6,83.9 158.6,80.77 v1(157.97,80.13) ; v1(242.97,80.13) 243.6,80.77 243.6,83.9 247.04,87.34 247.04,89.56 239.5,97.1 217,97.1 R80#8.2 ; v1(72.97,274.13) 73.6,274.77 73.6,277.9 77.04,281.34 77.04,283.56 69.5,291.1 47,291.1 R80.2
  Bottom w0.216: v1(148.26,258.23) 148.26,258.66 148.16,258.76 148.16,260.74 147.1,261.8 U3#2.J53 ; U3#3.J53 232.1,261.8 233.16,260.74 233.16,258.76 233.26,258.66 v1(233.26,258.23) ; U3#5.J53 232.1,164.8 233.16,163.74 233.16,161.76 233.26,161.66 v1(233.26,161.23) ; v1(63.26,161.23) 63.26,161.66 63.16,161.76 63.16,163.74 62.1,164.8 U3#4.J53 ; U3#6.J53 147.1,164.8 148.16,163.74 148.16,161.76 148.26,161.66 v1(148.26,161.23) ; v1(63.26,64.23) 63.26,64.66 63.16,64.76 63.16,66.74 62.1,67.8 U3#8.J53 ; U3#9.J53 147.1,67.8 148.16,66.74 148.16,64.76 148.26,64.66 v1(148.26,64.23) ; U3#7.J53 232.1,67.8 233.16,66.74 233.16,64.76 233.26,64.66 v1(233.26,64.23) ; U3.J53 62.1,261.8 63.16,260.74 63.16,258.76 63.26,258.66 v1(63.26,258.23)
/TLE8888-1QK/IGN_OUT_4: length 675.8
  Top w0.203: v1(158,275.3) 157.8,275.1 153.8,275.1 152.8,274.1 149.85,274.1 149.3,273.55 149.3,270.3 148.8,269.8 145.8,269.8 145.75,269.75 145.75,269.56 145.34,269.15 145.34,266.56 145.75,266.15 145.75,266.02 145.69,265.97 145.69,264.66 145.75,264.61 145.75,262.29 147.1,260.93 U3#2.J54 ; v1(243,275.3) 242.8,275.1 238.8,275.1 237.8,274.1 234.85,274.1 234.3,273.55 234.3,270.3 233.8,269.8 230.8,269.8 230.75,269.75 230.75,269.56 230.34,269.15 230.34,266.56 230.75,266.15 230.75,266.02 230.69,265.97 230.69,264.66 230.75,264.61 230.75,262.29 232.1,260.93 U3#3.J54 ; v1(243,178.3) 242.8,178.1 238.8,178.1 237.8,177.1 234.85,177.1 234.3,176.55 234.3,173.3 233.8,172.8 230.8,172.8 230.75,172.75 230.75,172.56 230.34,172.15 230.34,169.56 230.75,169.15 230.75,169.02 230.69,168.97 230.69,167.66 230.75,167.61 230.75,165.29 232.1,163.93 U3#5.J54 ; v1(73,178.3) 72.8,178.1 68.8,178.1 67.8,177.1 64.85,177.1 64.3,176.55 64.3,173.3 63.8,172.8 60.8,172.8 60.75,172.75 60.75,172.56 60.34,172.15 60.34,169.56 60.75,169.15 60.75,169.02 60.69,168.97 60.69,167.66 60.75,167.61 60.75,165.29 62.1,163.93 U3#4.J54 ; v1(158,178.3) 157.8,178.1 153.8,178.1 152.8,177.1 149.85,177.1 149.3,176.55 149.3,173.3 148.8,172.8 145.8,172.8 145.75,172.75 145.75,172.56 145.34,172.15 145.34,169.56 145.75,169.15 145.75,169.02 145.69,168.97 145.69,167.66 145.75,167.61 145.75,165.29 147.1,163.93 U3#6.J54 ; v1(73,81.3) 72.8,81.1 68.8,81.1 67.8,80.1 64.85,80.1 64.3,79.55 64.3,76.3 63.8,75.8 60.8,75.8 60.75,75.75 60.75,75.56 60.34,75.15 60.34,72.56 60.75,72.15 60.75,72.02 60.69,71.97 60.69,70.66 60.75,70.61 60.75,68.29 62.1,66.93 U3#8.J54 ; v1(158,81.3) 157.8,81.1 153.8,81.1 152.8,80.1 149.85,80.1 149.3,79.55 149.3,76.3 148.8,75.8 145.8,75.8 145.75,75.75 145.75,75.56 145.34,75.15 145.34,72.56 145.75,72.15 145.75,72.02 145.69,71.97 145.69,70.66 145.75,70.61 145.75,68.29 147.1,66.93 U3#9.J54 ; v1(243,81.3) 242.8,81.1 238.8,81.1 237.8,80.1 234.85,80.1 234.3,79.55 234.3,76.3 233.8,75.8 230.8,75.8 230.75,75.75 230.75,75.56 230.34,75.15 230.34,72.56 230.75,72.15 230.75,72.02 230.69,71.97 230.69,70.66 230.75,70.61 230.75,68.29 232.1,66.93 U3#7.J54 ; U3.J54 62.1,260.93 60.75,262.29 60.75,264.61 60.69,264.66 60.69,265.97 60.75,266.02 60.75,266.15 60.34,266.56 60.34,269.15 60.75,269.56 60.75,269.75 60.8,269.8 63.8,269.8 64.3,270.3 64.3,273.55 64.85,274.1 67.8,274.1 68.8,275.1 72.8,275.1 v1(73,275.3)
  Top w0.216: v1(147.73,257.7) 147.86,257.57 150.55,257.57 151,257.12 U2#2.99 ; v1(232.73,257.7) 232.86,257.57 235.55,257.57 236,257.12 U2#3.99 ; v1(232.73,160.7) 232.86,160.57 235.55,160.57 236,160.12 U2#5.99 ; v1(62.73,160.7) 62.86,160.57 65.55,160.57 66,160.12 U2#4.99 ; v1(147.73,160.7) 147.86,160.57 150.55,160.57 151,160.12 U2#6.99 ; U2#7.99 66,63.12 65.55,63.57 62.86,63.57 v1(62.73,63.7) ; v1(147.73,63.7) 147.86,63.57 150.55,63.57 151,63.12 U2#9.99 ; v1(232.73,63.7) 232.86,63.57 235.55,63.57 236,63.12 U2#8.99 ; U2.99 66,257.12 65.55,257.57 62.86,257.57 v1(62.73,257.7)
  Bottom w0.203: 153.6,290.74 134.04,290.74 133.5,290.2 R81#2.2 ; 153.6,290.74 154.36,290.74 161.69,283.41 161.69,281.49 158.2,278 158.2,275.5 v1(158,275.3) ; 153.6,290.74 153.66,290.74 ; v1(243,275.3) 243.2,275.5 243.2,278 246.69,281.49 246.69,283.41 239.36,290.74 238.6,290.74 ; 238.6,290.74 219.04,290.74 218.5,290.2 R81#3.2 ; 238.6,290.74 238.66,290.74 ; v1(243,178.3) 243.2,178.5 243.2,181 246.69,184.49 246.69,186.41 239.36,193.74 238.6,193.74 ; 238.6,193.74 238.66,193.74 ; 238.6,193.74 219.04,193.74 218.5,193.2 R81#5.2 ; 68.6,193.74 49.04,193.74 48.5,193.2 R81#4.2 ; 68.6,193.74 69.36,193.74 76.69,186.41 76.69,184.49 73.2,181 73.2,178.5 v1(73,178.3) ; 68.6,193.74 68.66,193.74 ; v1(158,178.3) 158.2,178.5 158.2,181 161.69,184.49 161.69,186.41 154.36,193.74 153.6,193.74 ; 153.6,193.74 134.04,193.74 133.5,193.2 R81#6.2 ; 153.6,193.74 153.66,193.74 ; v1(73,81.3) 73.2,81.5 73.2,84 76.69,87.49 76.69,89.41 69.36,96.74 68.6,96.74 ; 68.6,96.74 68.66,96.74 ; 68.6,96.74 49.04,96.74 48.5,96.2 R81#7.2 ; v1(158,81.3) 158.2,81.5 158.2,84 161.69,87.49 161.69,89.41 154.36,96.74 153.6,96.74 ; 153.6,96.74 153.66,96.74 ; 153.6,96.74 134.04,96.74 133.5,96.2 R81#9.2 ; v1(243,81.3) 243.2,81.5 243.2,84 246.69,87.49 246.69,89.41 239.36,96.74 238.6,96.74 ; 238.6,96.74 238.66,96.74 ; 238.6,96.74 219.04,96.74 218.5,96.2 R81#8.2 ; v1(73,275.3) 73.2,275.5 73.2,278 76.69,281.49 76.69,283.41 69.36,290.74 68.6,290.74 ; 68.6,290.74 49.04,290.74 48.5,290.2 R81.2 ; 68.6,290.74 68.66,290.74
  Bottom w0.216: v1(147.73,257.7) 147.1,258.33 U3#2.J54 ; v1(232.73,257.7) 232.1,258.33 U3#3.J54 ; v1(232.73,160.7) 232.1,161.33 U3#5.J54 ; v1(62.73,160.7) 62.1,161.33 U3#4.J54 ; v1(147.73,160.7) 147.1,161.33 U3#6.J54 ; v1(62.73,63.7) 62.1,64.33 U3#8.J54 ; v1(147.73,63.7) 147.1,64.33 U3#9.J54 ; v1(232.73,63.7) 232.1,64.33 U3#7.J54 ; U3.J54 62.1,258.33 v1(62.73,257.7)